# Altium PCB MotherBoard.PcbDoc (part 1 of 10)
Units mm, origin at the board's own origin, x right, y up, seen from the top; angles counter-clockwise.
Board outline 200 x 200 mm, 8 copper layers (Top Layer, Ground, Signal Layer 1, Power, Power 2, Signal Layer 2, Ground 2, Bottom Layer), stack 1.494 mm thick; 819 components, 704 nets, 3400 pads, 2339 vias.
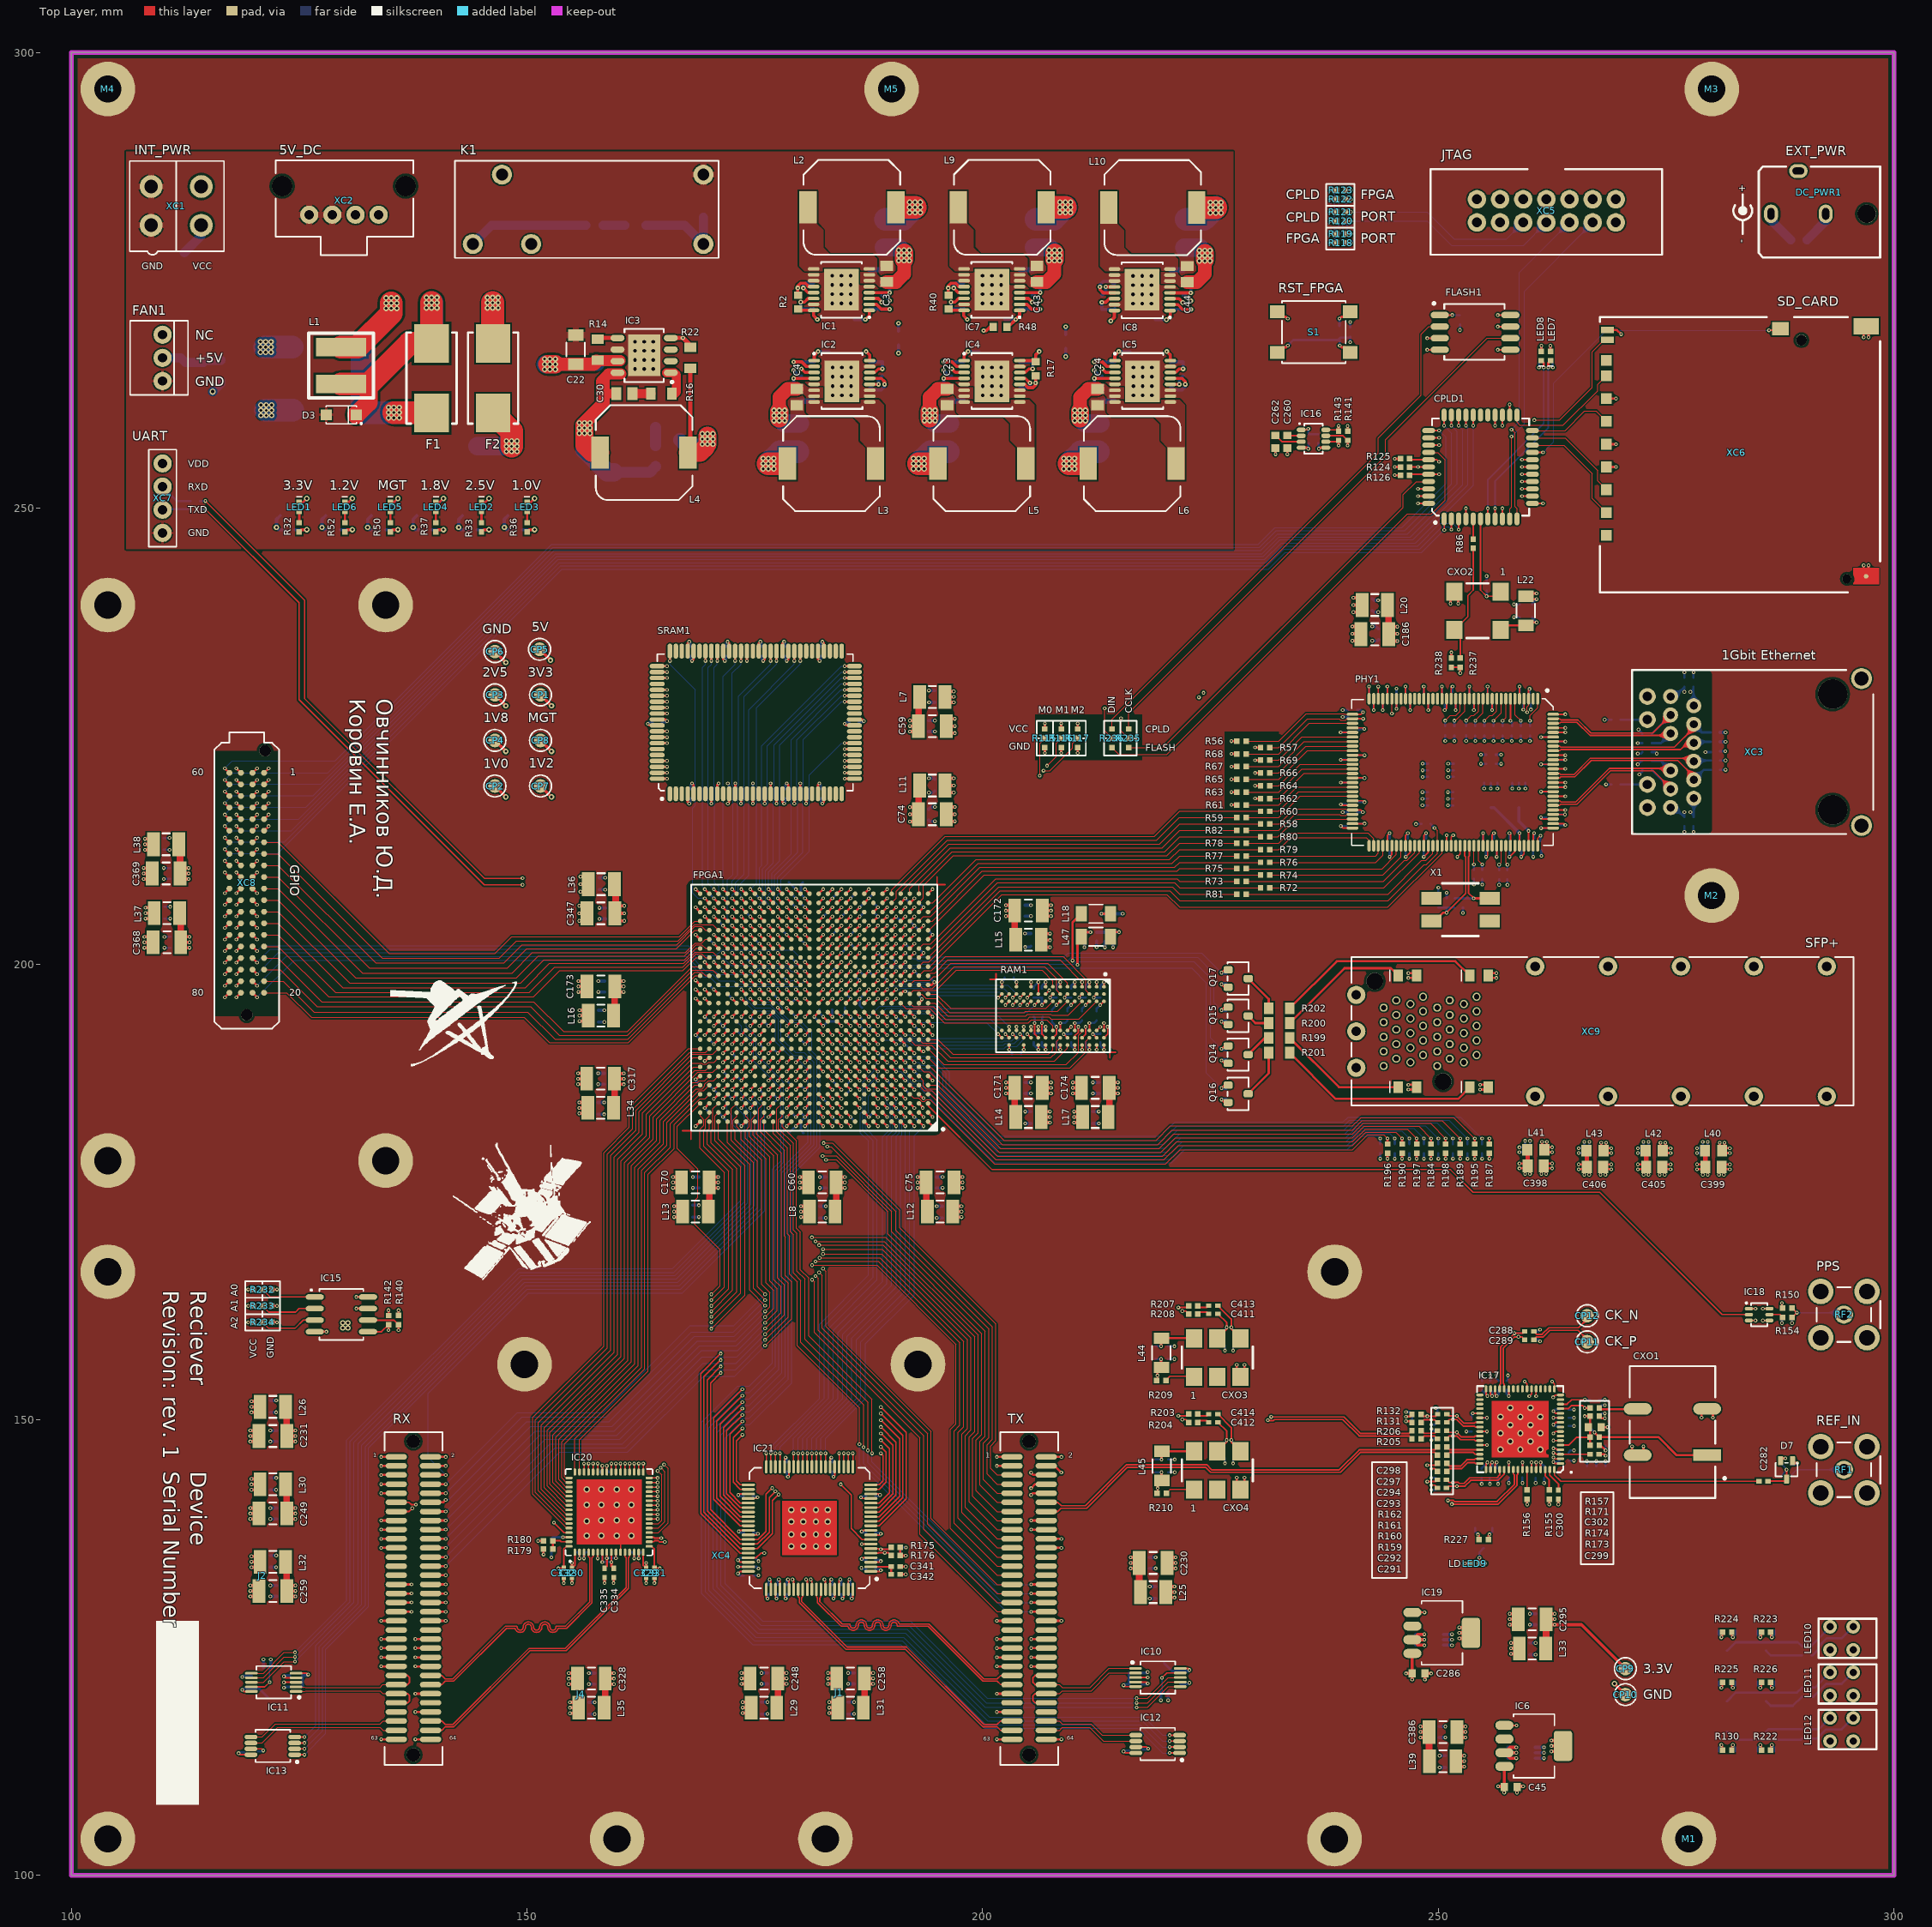
[diagram p0: Top Layer view]
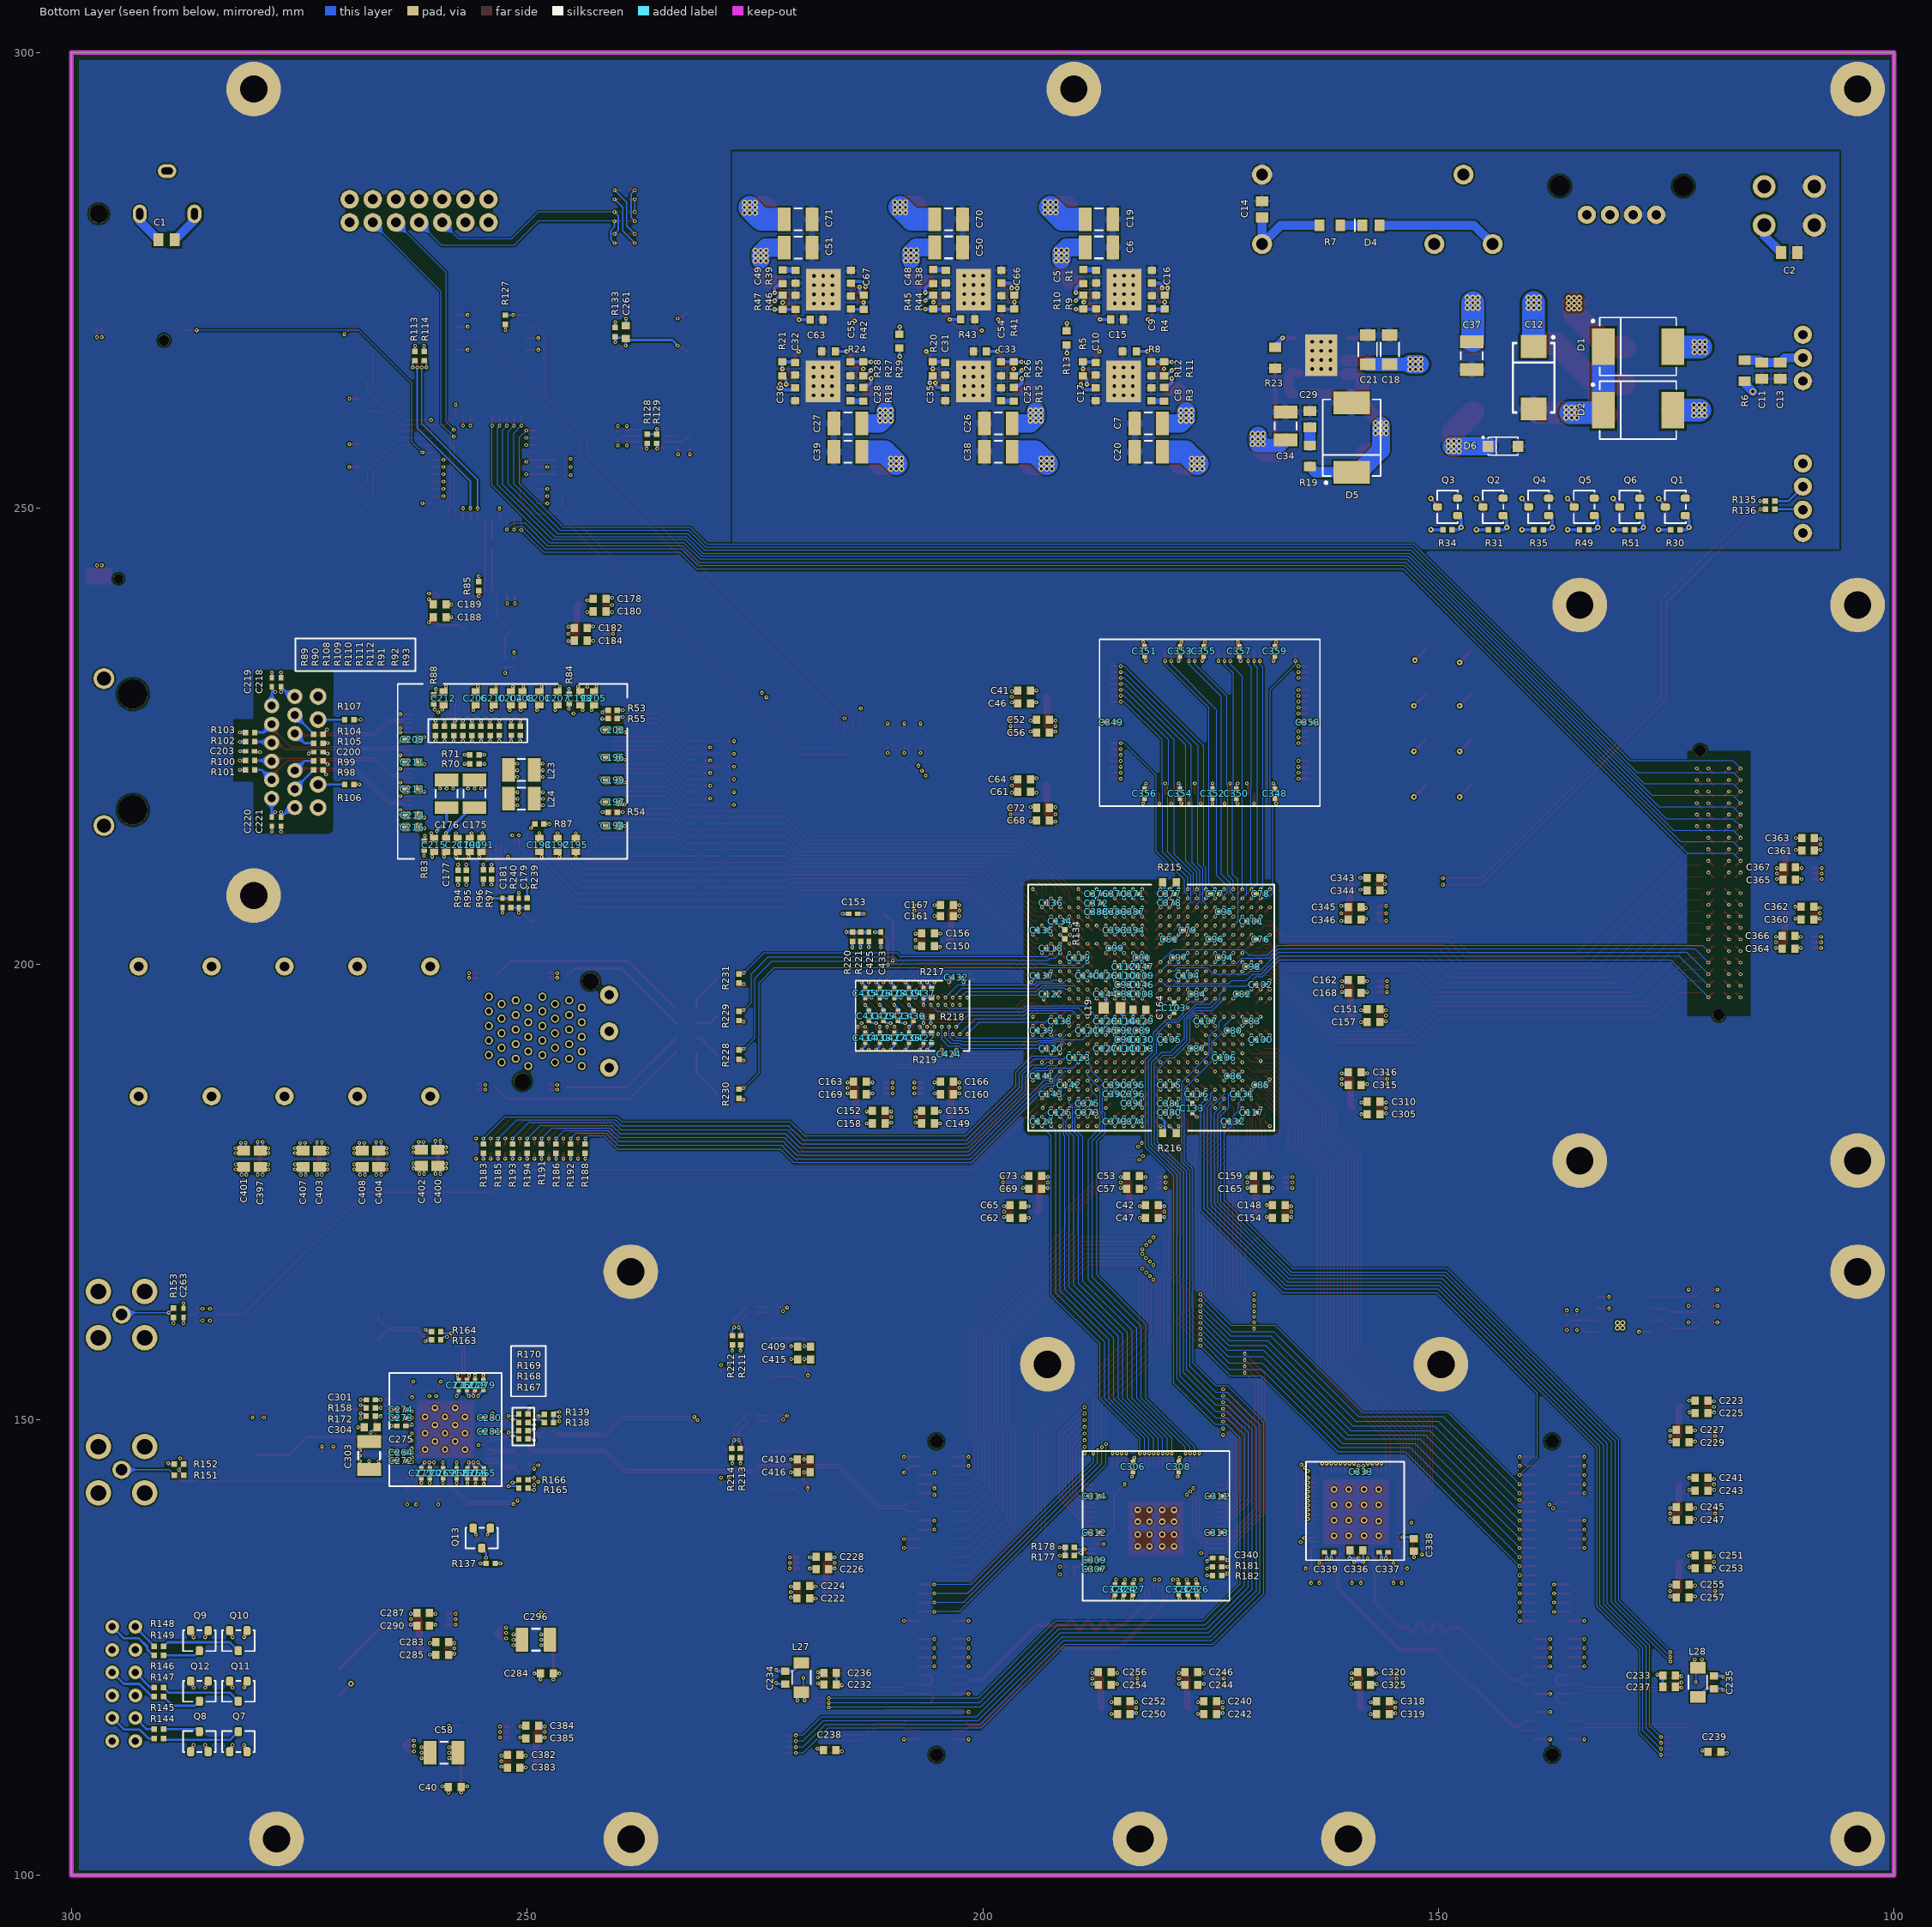
[diagram p1: Bottom Layer view, seen from below]
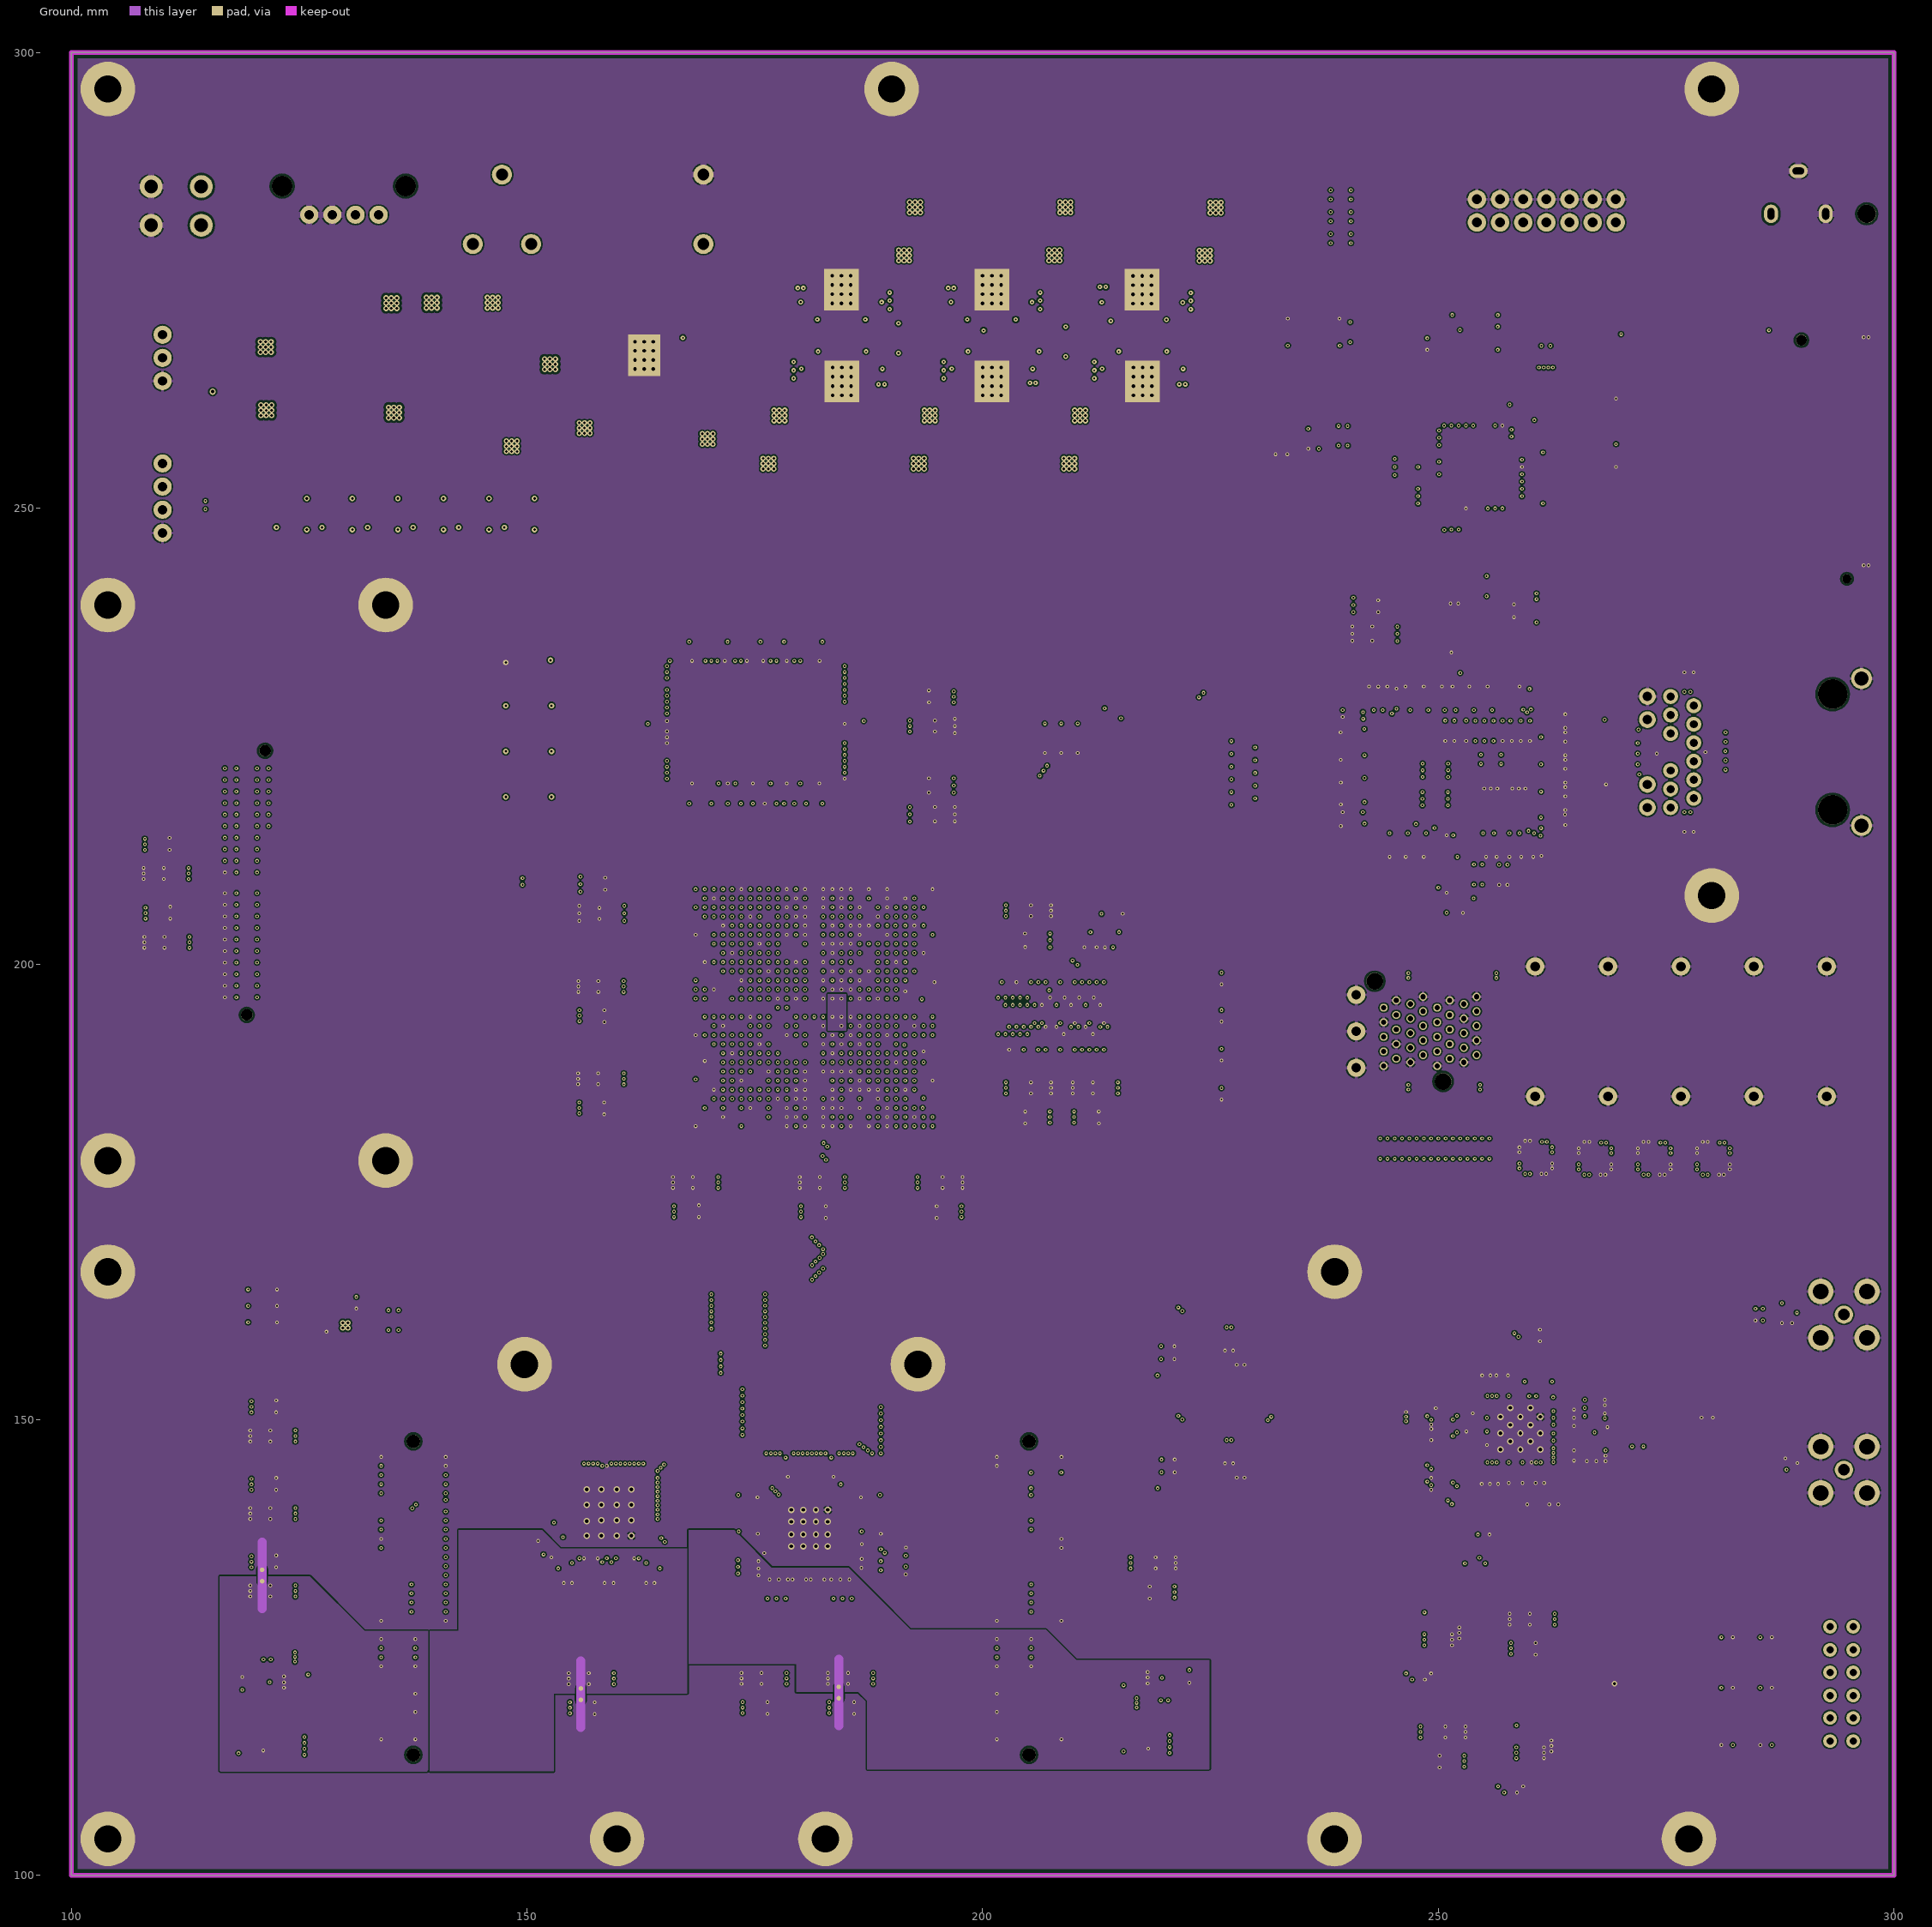
[diagram p2: Ground]
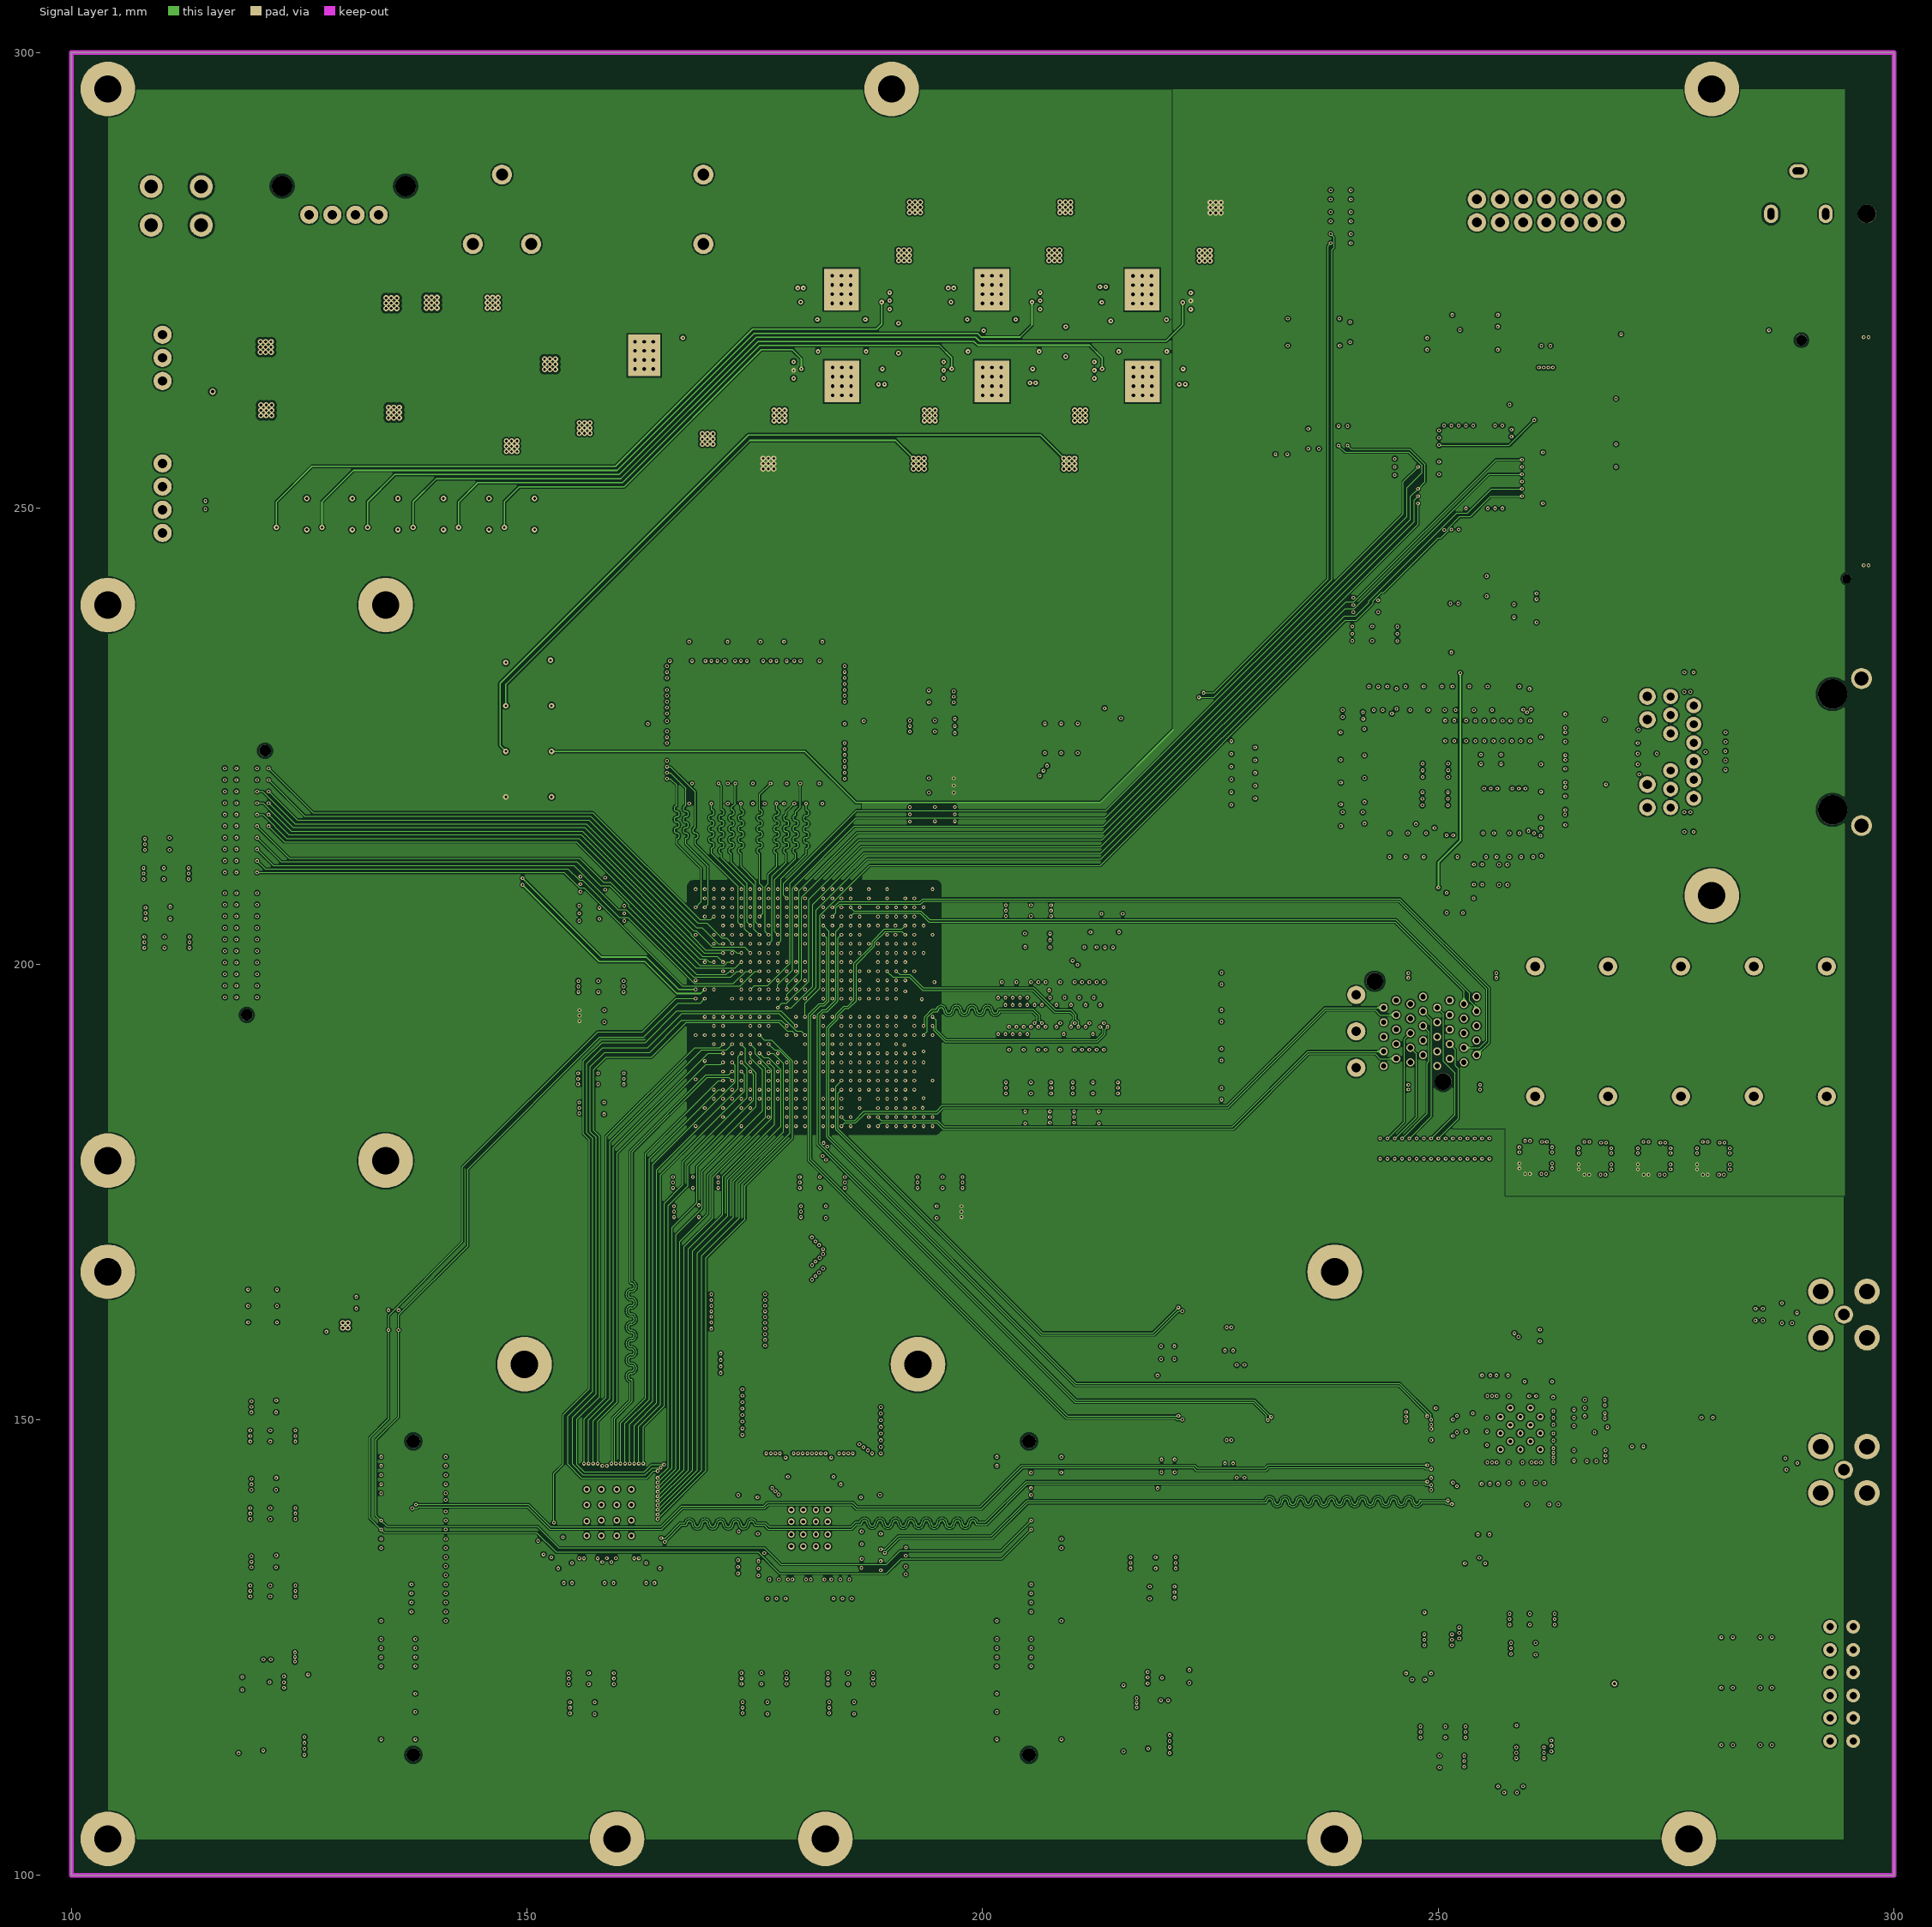
[diagram p3: Signal Layer 1]